# Altium PCB Archimajor.PcbDoc (part 8 of 13) (continued)
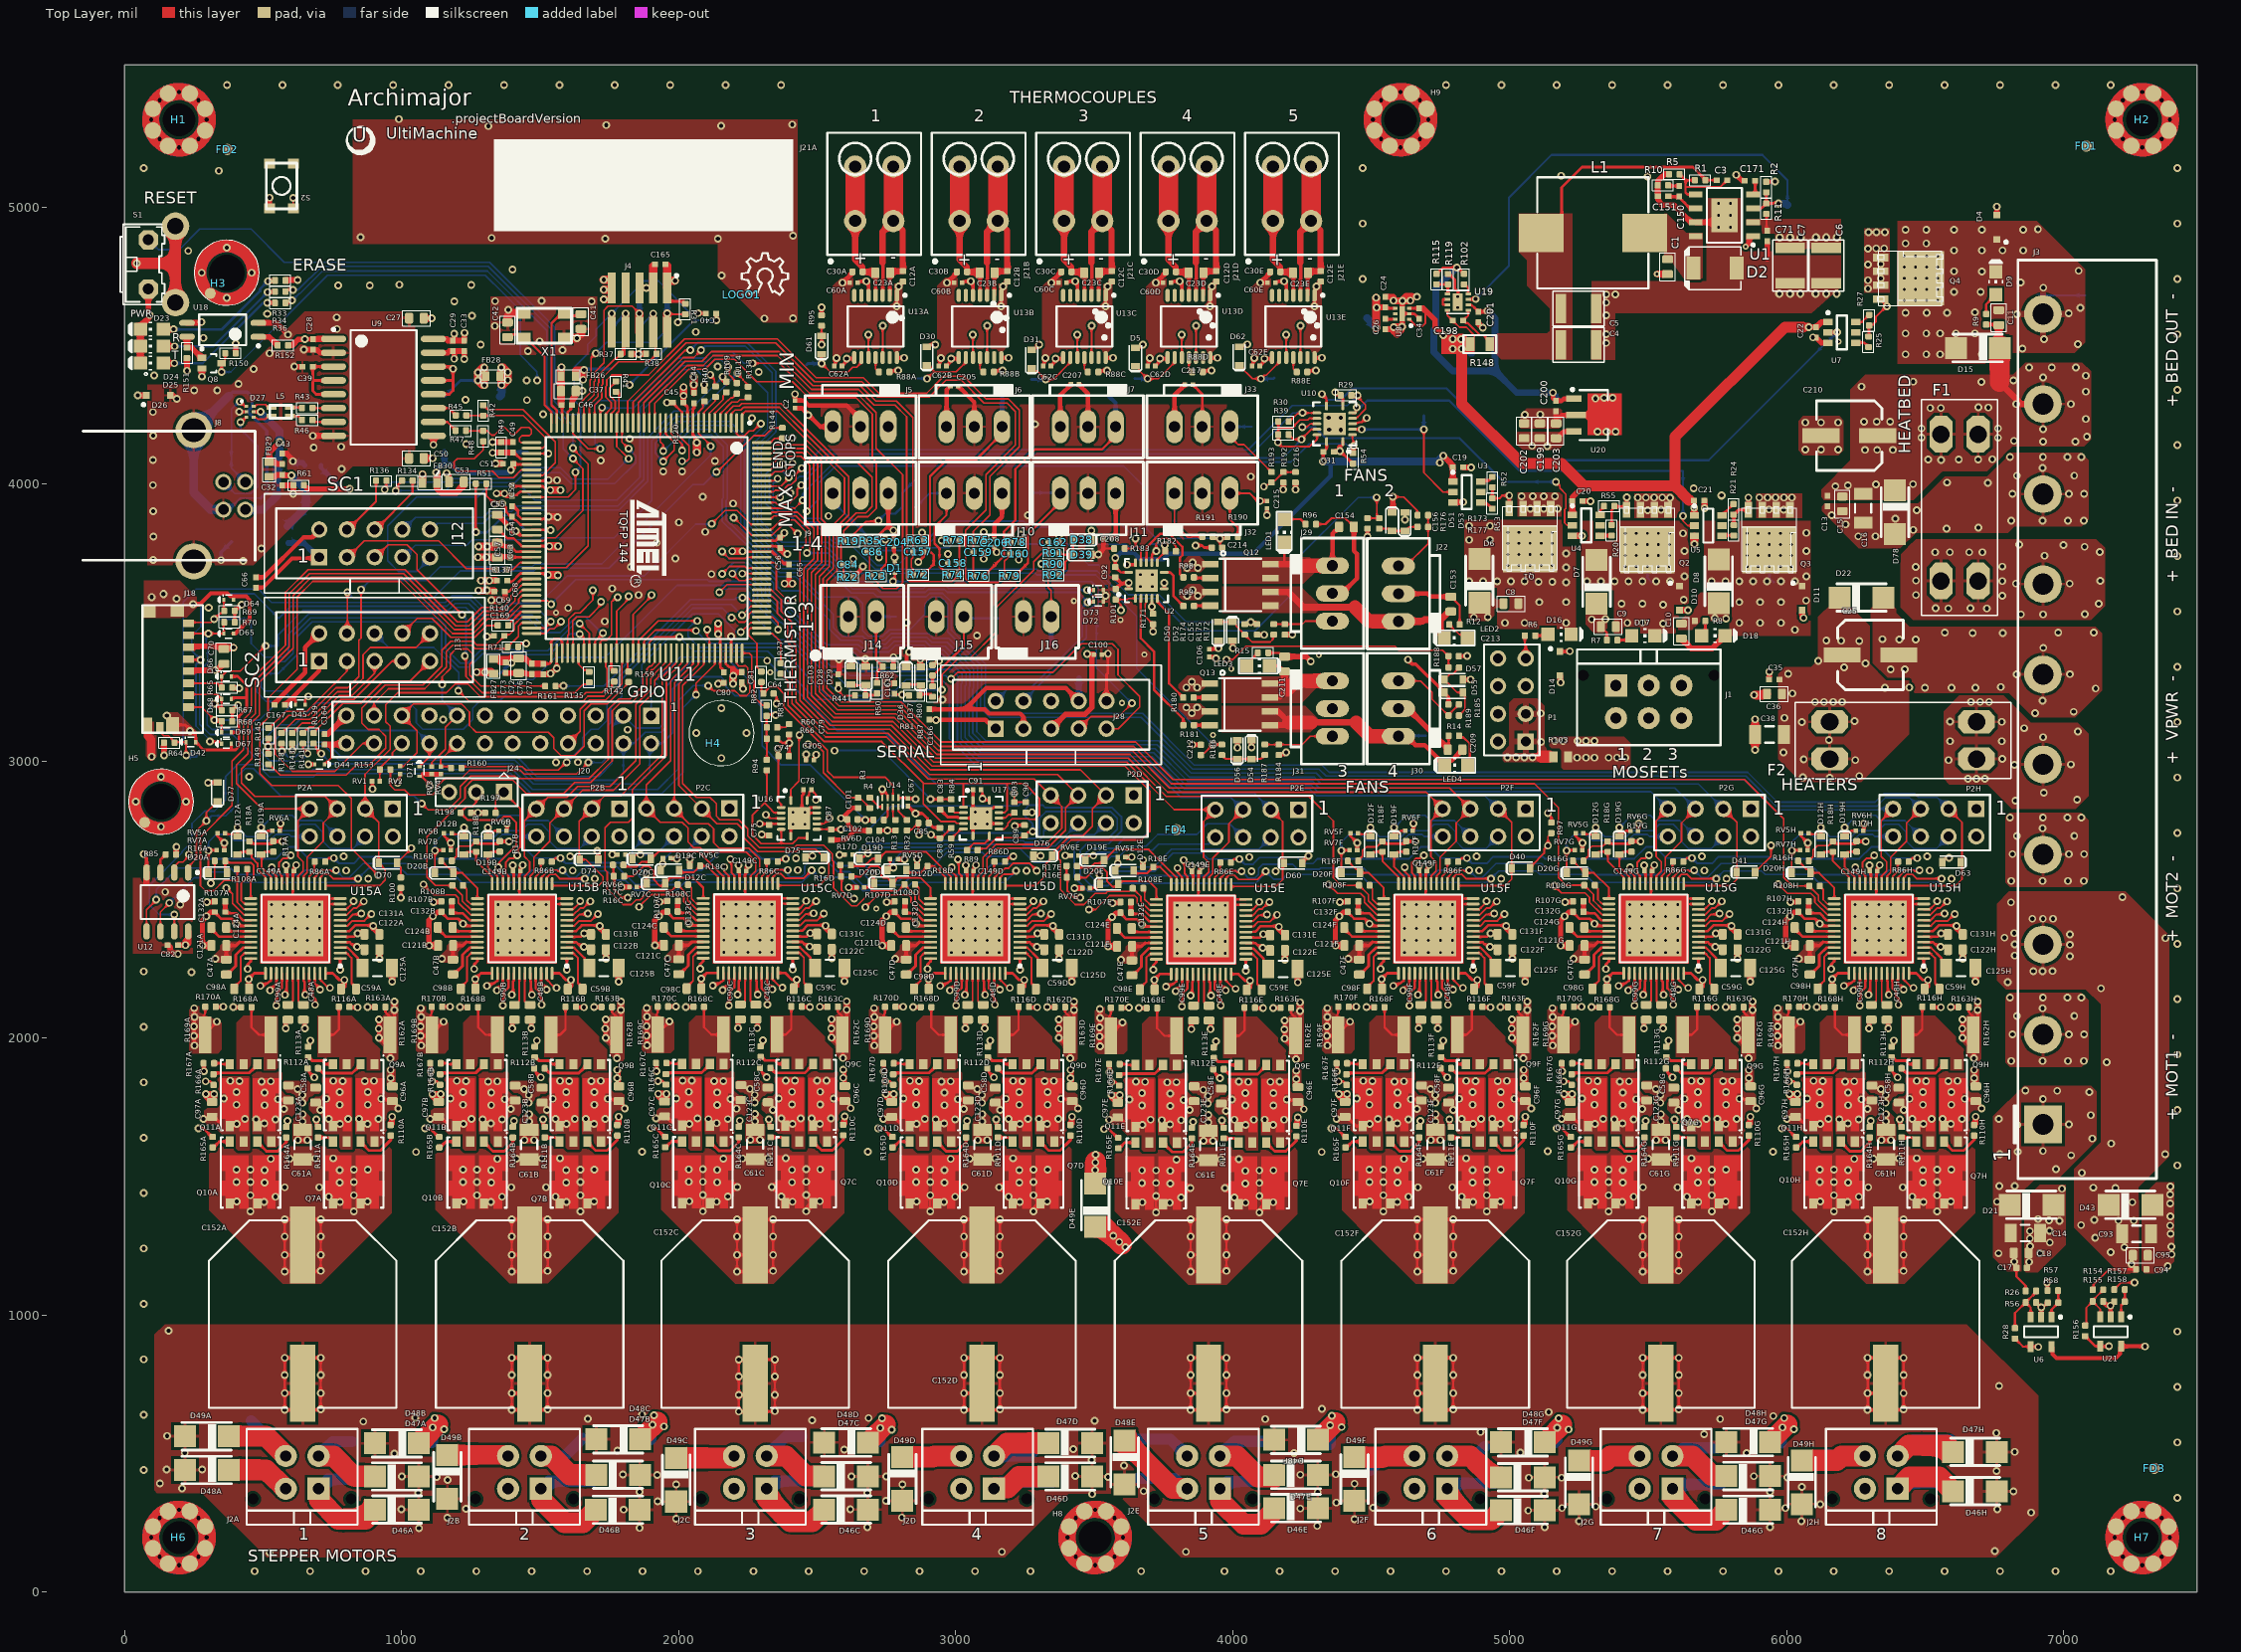
[diagram p0: Top Layer view]
## Nets (pads, with @x,y where several pads share a name; then routed paths per layer and width w, separated by ;. In a path a pad name is that pad's centre, name@x,y a point inside that pad or via, vN(x,y) a via of type N, cw(c..) or ccw(c..) an arc to the next point about the centre after c; other vN are vias at no path point) (continued)
NetJ31_3: J31.3 R184.1 R187.2 | length 256.4
  Top Layer w6: R187.2@4116.27,3059.26 4116.37,3059.16 R184.1@4166.57,3059.16 4250.44,3059.16 4280.26,3088.98 J31.3@4360.24,3088.98
NetJ32_1: J32.1 R191.2 TP19.1 | length 359.5
  Top Layer w6: J32.1@3790.35,3966.53 3790.35,3855.4 3838.42,3807.34 3850.65,3807.34 3852.6,3809.29 R191.2@3890.67,3809.29
  Bottom Layer w6: TP19.1@3788.39,3839.96 3790.35,3841.93 J32.1@3790.35,3966.53
NetJ33_1: J33.1 R193.2 TP82.1 | length 312.9
  Top Layer w6: J33.1@3990.35,4206.53 3990.35,4172.14 4020.39,4142.1 4041.36,4142.1 4131.47,4051.99 4131.47,4051.75 4140.23,4042.99 R193.2@4140.47,4042.99
  Bottom Layer w6: J33.1@3996.96,4211.75 J33.1@4002.18,4206.53
  Bottom Layer w8: J33.1@4002.18,4206.53 TP82.1@4069.6,4206.53
NetL5_1: L5.1 R46.2 | length 49.4
  Top Layer w6: L5.1@597.46,4244.59 626.94,4244.59 R46.2@641,4230.53
NetL5_4: L5.4 R43.2 | length 45.3
  Top Layer w6: L5.4@597.46,4276.09 636.75,4276.09 R43.2@641,4280.34
NetLED1_A: LED1.A R96.1 | length 84.4
  Top Layer w8: LED1.A@4186.73,3872.42 4245.59,3872.42 4255.55,3862.45 4256.33,3862.45 4263.3,3855.48 R96.1@4263.3,3854.7
NetLED2_A: LED2.A R12.1 | length 85.5
  Top Layer w6: R12.1@4782,3492.5 4782,3492.25 4790.76,3483.5 4791,3483.5 4817.92,3456.58 4835.16,3456.58 LED2.A@4847.41,3444.33
NetLED3_A: LED3.A R15.1 | length 64.7
  Top Layer w8: LED3.A@4049.92,3342.89 4069.92,3362.89 4069.92,3368.99 4083.3,3382.38 4084.09,3382.38 4091.06,3389.35 R15.1@4091.06,3390.13
NetLED4_A: LED4.A R14.1 | length 130.8
  Top Layer w8: R14.1@4817.63,3090.92 4823.52,3085.03 4833.14,3085.03 4856.21,3061.97 4856.21,2991.7 LED4.A@4849.13,2984.62
NetQ1_4: Q1.4 R52.2 R53.2 TP58.1 | length 151.7
  Top Layer w8: R52.2@4937.69,3987.89 R53.2@4937.69,3948.13 4963.75,3948.13 4973.48,3957.86 v3(4998.62,3957.86) Q1.4@4998.62,3910.88
NetQ2_4: Q2.4 R20.2 R55.2 TP62.1 | length 164.7
  Top Layer w8: R20.2@5368.1,3851.43 5368.1,3904.7 5381.61,3918.21 5410.77,3918.21 Q2.4@5422.12,3906.88 ; Q2.4@5422.12,3905.88 Q2.4@5422.12,3906.88 ; v3(5422.35,3951.53) 5422.35,3907.1 Q2.4@5422.12,3906.88
  Mid1 w8: v3@5422.12,3952.5 v3@5422.12,3953.84
NetQ3_4: Q3.4 R21.2 R24.2 TP64.1 | length 141.4
  Top Layer w10: R21.2@5809.11,3851.5 5809.11,3888.5 5827.48,3906.87 Q3.4@5862.11,3906.89 5861.77,3907.21 v3(5861.77,3950.55)
NetQ4_4: Q4.4 R25.2 R27.2 TP66.1 | length 180.1
  Top Layer w8: R25.2@6297,4530.45 R27.2@6297,4571.97 ; R27.2@6297.48,4571.97 6300.47,4574.95 6311.2,4574.95 6321.48,4585.23 6321.48,4602.64 6362.97,4644.13 Q4.4@6339.61,4667.47
  other v3: 6361.82,4641.54
NetQ7A_2: Q7A.2 R110A.2 | length 154.7
  Top Layer w10: Q7A.2@852.5,1625.8 852.5,1623.95 882.93,1593.53 923,1593.53 961,1631.53 R110A.2@961,1647.53
NetQ7A_4: Q7A.4 R111A.1 | length 63.6
  Top Layer w10: R111A.1@695,1640.63 737.68,1640.63 Q7A.4@752.5,1625.8
NetQ7B_2: Q7B.2 R110B.2 | length 154.7
  Top Layer w10: Q7B.2@1670.42,1625.8 1670.42,1623.95 1700.84,1593.53 1740.91,1593.53 1778.91,1631.53 R110B.2@1778.91,1647.53
NetQ7B_4: Q7B.4 R111B.1 | length 63.6
  Top Layer w10: R111B.1@1512.91,1640.63 1555.59,1640.63 Q7B.4@1570.42,1625.8
NetQ7C_2: Q7C.2 R110C.2 | length 154.7
  Top Layer w10: Q7C.2@2485.69,1626.76 2485.69,1624.91 2516.11,1594.49 2556.18,1594.49 2594.18,1632.49 R110C.2@2594.18,1648.49
NetQ7C_4: Q7C.4 R111C.1 | length 63.6
  Top Layer w10: R111C.1@2328.18,1641.59 2370.86,1641.59 Q7C.4@2385.69,1626.76
NetQ7D_2: Q7D.2 R110D.2 | length 154.7
  Top Layer w10: Q7D.2@3306.24,1625.8 3306.24,1623.95 3336.67,1593.53 3376.74,1593.53 3414.74,1631.53 R110D.2@3414.74,1647.53
NetQ7D_4: Q7D.4 R111D.1 | length 63.6
  Top Layer w10: R111D.1@3148.74,1640.63 3191.42,1640.63 Q7D.4@3206.24,1625.8
NetQ7E_2: Q7E.2 R110E.2 | length 154.7
  Top Layer w10: Q7E.2@4121.51,1622.83 4121.51,1620.98 4151.94,1590.55 4192.01,1590.55 4230.01,1628.55 R110E.2@4230.01,1644.55
NetQ7E_4: Q7E.4 R111E.1 | length 63.6
  Top Layer w10: R111E.1@3964.01,1637.65 4006.69,1637.65 Q7E.4@4021.51,1622.83
NetQ7F_2: Q7F.2 R110F.2 | length 154.7
  Top Layer w10: Q7F.2@4942.07,1625.8 4942.07,1623.95 4972.5,1593.53 5012.57,1593.53 5050.57,1631.53 R110F.2@5050.57,1647.53
NetQ7F_4: Q7F.4 R111F.1 | length 63.6
  Top Layer w10: R111F.1@4784.57,1640.63 4827.24,1640.63 Q7F.4@4842.07,1625.8
NetQ7G_2: Q7G.2 R110G.2 | length 154.7
  Top Layer w10: Q7G.2@5755.07,1625.8 5755.07,1623.95 5785.5,1593.53 5825.57,1593.53 5863.57,1631.53 R110G.2@5863.57,1647.53
NetQ7G_4: Q7G.4 R111G.1 | length 63.6
  Top Layer w10: R111G.1@5597.57,1640.63 5640.24,1640.63 Q7G.4@5655.07,1625.8
NetQ7H_2: Q7H.2 R110H.2 | length 154.7
  Top Layer w10: Q7H.2@6568.07,1625.8 6568.07,1623.95 6598.5,1593.53 6638.57,1593.53 6676.57,1631.53 R110H.2@6676.57,1647.53
NetQ7H_4: Q7H.4 R111H.1 | length 63.6
  Top Layer w10: R111H.1@6410.57,1640.63 6453.24,1640.63 Q7H.4@6468.07,1625.8
NetQ8_1: Q8.1 R151.1 U18.4 | length 108.2
  Top Layer w20: U18.4@225.55,4531.14 225.67,4531.01 R151.1@225.67,4492.21 242.66,4492.21 Q8.1@279.61,4455.26
NetQ9A_1: Q9A.1 Q9A.3 R116A.2 R162A.2 | length 142.3
  Top Layer w8: R162A.2@721.89,2010.84 754.31,2010.84 774,2030.53 R116A.2@774,2112.53
NetQ9A_2: Q9A.2 R112A.2 | length 175.6
  Top Layer w10: R112A.2@699,1890.53 717,1872.53 821.55,1872.53 852.5,1903.48 Q9A.2@852.5,1905.33
NetQ9A_4: Q9A.4 R113A.1 | length 101.9
  Top Layer w10: R113A.1@659,1925.63 671,1925.63 679.1,1917.53 715,1917.53 727.2,1905.33 Q9A.4@752.5,1905.33
NetQ9B_1: Q9B.1 Q9B.3 R116B.2 R162B.2 | length 142.3
  Top Layer w8: R162B.2@1539.8,2010.84 1572.23,2010.84 1591.91,2030.53 R116B.2@1591.91,2112.53
NetQ9B_2: Q9B.2 R112B.2 | length 175.6
  Top Layer w10: R112B.2@1516.91,1890.53 1534.91,1872.53 1639.46,1872.53 1670.42,1903.48 Q9B.2@1670.42,1905.33
NetQ9B_4: Q9B.4 R113B.1 | length 101.9
  Top Layer w10: R113B.1@1476.91,1925.63 1488.91,1925.63 1497.02,1917.53 1532.91,1917.53 1545.11,1905.33 Q9B.4@1570.42,1905.33
NetQ9C_1: Q9C.1 Q9C.3 R116C.2 R162C.2 | length 142.3
  Top Layer w8: R162C.2@2355.07,2011.8 2387.5,2011.8 2407.18,2031.49 R116C.2@2407.18,2113.49
NetQ9C_2: Q9C.2 R112C.2 | length 175.6
  Top Layer w10: R112C.2@2332.18,1891.49 2350.18,1873.49 2454.73,1873.49 2485.69,1904.44 Q9C.2@2485.69,1906.29
NetQ9C_4: Q9C.4 R113C.1 | length 101.9
  Top Layer w10: R113C.1@2292.18,1926.59 2304.18,1926.59 2312.29,1918.49 2348.18,1918.49 2360.38,1906.29 Q9C.4@2385.69,1906.29
NetQ9D_1: Q9D.1 Q9D.3 R116D.2 R162D.2 | length 142.3
  Top Layer w8: R162D.2@3175.63,2010.84 3208.05,2010.84 3227.74,2030.53 R116D.2@3227.74,2112.53
NetQ9D_2: Q9D.2 R112D.2 | length 175.6
  Top Layer w10: R112D.2@3152.74,1890.53 3170.74,1872.53 3275.29,1872.53 3306.24,1903.48 Q9D.2@3306.24,1905.33
NetQ9D_4: Q9D.4 R113D.1 | length 101.9
  Top Layer w10: R113D.1@3112.74,1925.63 3124.74,1925.63 3132.84,1917.53 3168.74,1917.53 3180.94,1905.33 Q9D.4@3206.24,1905.33
NetQ9E_1: Q9E.1 Q9E.3 R116E.2 R162E.2 | length 142.3
  Top Layer w8: R162E.2@3990.9,2007.87 4023.33,2007.87 4043.01,2027.55 R116E.2@4043.01,2109.55
NetQ9E_2: Q9E.2 R112E.2 | length 175.6
  Top Layer w10: R112E.2@3968.01,1887.55 3986.01,1869.55 4090.56,1869.55 4121.51,1900.5 Q9E.2@4121.51,1902.35
NetQ9E_4: Q9E.4 R113E.1 | length 101.9
  Top Layer w10: R113E.1@3928.01,1922.65 3940.01,1922.65 3948.11,1914.55 3984.01,1914.55 3996.21,1902.35 Q9E.4@4021.51,1902.35
NetQ9F_1: Q9F.1 Q9F.3 R116F.2 R162F.2 | length 142.3
  Top Layer w8: R162F.2@4811.46,2010.84 4843.88,2010.84 4863.57,2030.53 R116F.2@4863.57,2112.53
NetQ9F_2: Q9F.2 R112F.2 | length 175.6
  Top Layer w10: R112F.2@4788.57,1890.53 4806.57,1872.53 4911.12,1872.53 4942.07,1903.48 Q9F.2@4942.07,1905.33
NetQ9F_4: Q9F.4 R113F.1 | length 101.9
  Top Layer w10: R113F.1@4748.57,1925.63 4760.57,1925.63 4768.67,1917.53 4804.57,1917.53 4816.76,1905.33 Q9F.4@4842.07,1905.33
NetQ9G_1: Q9G.1 Q9G.3 R116G.2 R162G.2 | length 142.3
  Top Layer w8: R162G.2@5624.46,2010.84 5656.88,2010.84 5676.57,2030.53 R116G.2@5676.57,2112.53
NetQ9G_2: Q9G.2 R112G.2 | length 175.6
  Top Layer w10: R112G.2@5601.57,1890.53 5619.57,1872.53 5724.12,1872.53 5755.07,1903.48 Q9G.2@5755.07,1905.33
NetQ9G_4: Q9G.4 R113G.1 | length 101.9
  Top Layer w10: R113G.1@5561.57,1925.63 5573.57,1925.63 5581.67,1917.53 5617.57,1917.53 5629.76,1905.33 Q9G.4@5655.07,1905.33
NetQ9H_1: Q9H.1 Q9H.3 R116H.2 R162H.2 | length 142.3
  Top Layer w8: R162H.2@6437.46,2010.84 6469.88,2010.84 6489.57,2030.53 R116H.2@6489.57,2112.53
NetQ9H_2: Q9H.2 R112H.2 | length 175.6
  Top Layer w10: R112H.2@6414.57,1890.53 6432.57,1872.53 6537.12,1872.53 6568.07,1903.48 Q9H.2@6568.07,1905.33
NetQ9H_4: Q9H.4 R113H.1 | length 101.9
  Top Layer w10: R113H.1@6374.57,1925.63 6386.57,1925.63 6394.67,1917.53 6430.57,1917.53 6442.76,1905.33 Q9H.4@6468.07,1905.33
NetQ10A_2: Q10A.2 R164A.2 | length 152.1
  Top Layer w10: Q10A.2@480.02,1625.8 480.02,1623.95 512.42,1591.55 553.02,1591.55 584,1622.53 R164A.2@584,1642.53
NetQ10A_4: Q10A.4 R165A.1 | length 63.8
  Top Layer w10: R165A.1@323,1609.53 326,1609.53 342.28,1625.8 Q10A.4@380.02,1625.8
NetQ10B_2: Q10B.2 R164B.2 | length 152.1
  Top Layer w10: Q10B.2@1297.93,1625.8 1297.93,1623.95 1330.33,1591.55 1370.94,1591.55 1401.91,1622.53 R164B.2@1401.91,1642.53
NetQ10B_4: Q10B.4 R165B.1 | length 63.8
  Top Layer w10: R165B.1@1140.91,1609.53 1143.91,1609.53 1160.19,1625.8 Q10B.4@1197.93,1625.8
NetQ10C_2: Q10C.2 R164C.2 | length 152.1
  Top Layer w10: Q10C.2@2113.2,1626.76 2113.2,1624.91 2145.6,1592.51 2186.21,1592.51 2217.18,1623.49 R164C.2@2217.18,1643.49
NetQ10C_4: Q10C.4 R165C.1 | length 63.8
  Top Layer w10: R165C.1@1956.18,1610.49 1959.18,1610.49 1975.46,1626.76 Q10C.4@2013.2,1626.76
NetQ10D_2: Q10D.2 R164D.2 | length 152.1
  Top Layer w10: Q10D.2@2933.76,1625.8 2933.76,1623.95 2966.16,1591.55 3006.76,1591.55 3037.74,1622.53 R164D.2@3037.74,1642.53
NetQ10D_4: Q10D.4 R165D.1 | length 63.8
  Top Layer w10: R165D.1@2776.74,1609.53 2779.74,1609.53 2796.02,1625.8 Q10D.4@2833.76,1625.8
NetQ10E_2: Q10E.2 R164E.2 | length 152.1
  Top Layer w10: Q10E.2@3749.03,1622.83 3749.03,1620.98 3781.43,1588.57 3822.03,1588.57 3853.01,1619.55 R164E.2@3853.01,1639.55
NetQ10E_4: Q10E.4 R165E.1 | length 63.8
  Top Layer w10: R165E.1@3592.01,1606.55 3595.01,1606.55 3611.29,1622.83 Q10E.4@3649.03,1622.83
NetQ10F_2: Q10F.2 R164F.2 | length 152.1
  Top Layer w10: Q10F.2@4569.58,1625.8 4569.58,1623.95 4601.98,1591.55 4642.59,1591.55 4673.57,1622.53 R164F.2@4673.57,1642.53
NetQ10F_4: Q10F.4 R165F.1 | length 63.8
  Top Layer w10: R165F.1@4412.57,1609.53 4415.57,1609.53 4431.84,1625.8 Q10F.4@4469.58,1625.8
NetQ10G_2: Q10G.2 R164G.2 | length 152.1
  Top Layer w10: Q10G.2@5382.58,1625.8 5382.58,1623.95 5414.98,1591.55 5455.59,1591.55 5486.57,1622.53 R164G.2@5486.57,1642.53
NetQ10G_4: Q10G.4 R165G.1 | length 63.8
  Top Layer w10: R165G.1@5225.57,1609.53 5228.57,1609.53 5244.84,1625.8 Q10G.4@5282.58,1625.8
NetQ10H_2: Q10H.2 R164H.2 | length 152.1
  Top Layer w10: Q10H.2@6195.58,1625.8 6195.58,1623.95 6227.98,1591.55 6268.59,1591.55 6299.57,1622.53 R164H.2@6299.57,1642.53
NetQ10H_4: Q10H.4 R165H.1 | length 63.8
  Top Layer w10: R165H.1@6038.57,1609.53 6041.57,1609.53 6057.84,1625.8 Q10H.4@6095.58,1625.8
NetQ11A_1: Q11A.1 Q11A.3 R168A.2 R169A.2 | length 153.9
  Top Layer w8: R168A.2@458.66,2111.24 458.66,2037.87 485.68,2010.84 R169A.2@528.05,2010.84
NetQ11A_2: Q11A.2 R166A.2 | length 178.1
  Top Layer w10: R166A.2@321.35,1868.43 321.35,1873.63 450.16,1873.63 480.02,1903.48 Q11A.2@480.02,1905.33
NetQ11A_4: Q11A.4 R167A.1 | length 57.8
  Top Layer w8: R167A.1@323.52,1908.48 348.05,1908.48 351.2,1905.33 Q11A.4@380.02,1905.33
NetQ11B_1: Q11B.1 Q11B.3 R168B.2 R169B.2 | length 153.9
  Top Layer w8: R168B.2@1276.57,2111.24 1276.57,2037.87 1303.6,2010.84 R169B.2@1345.96,2010.84
NetQ11B_2: Q11B.2 R166B.2 | length 178.1
  Top Layer w10: R166B.2@1139.27,1868.43 1139.27,1873.63 1268.08,1873.63 1297.93,1903.48 Q11B.2@1297.93,1905.33
NetQ11B_4: Q11B.4 R167B.1 | length 57.8
  Top Layer w8: R167B.1@1141.43,1908.48 1165.96,1908.48 1169.11,1905.33 Q11B.4@1197.93,1905.33
NetQ11C_1: Q11C.1 Q11C.3 R168C.2 R169C.2 | length 153.9
  Top Layer w8: R168C.2@2091.85,2112.2 2091.85,2038.82 2118.87,2011.8 R169C.2@2161.23,2011.8
NetQ11C_2: Q11C.2 R166C.2 | length 178.1
  Top Layer w10: R166C.2@1954.54,1869.38 1954.54,1874.59 2083.35,1874.59 2113.2,1904.44 Q11C.2@2113.2,1906.29
NetQ11C_4: Q11C.4 R167C.1 | length 57.8
  Top Layer w8: R167C.1@1956.7,1909.44 1981.23,1909.44 1984.38,1906.29 Q11C.4@2013.2,1906.29
NetQ11D_1: Q11D.1 Q11D.3 R168D.2 R169D.2 | length 153.9
  Top Layer w8: R168D.2@2912.4,2111.24 2912.4,2037.87 2939.42,2010.84 R169D.2@2981.79,2010.84
NetQ11D_2: Q11D.2 R166D.2 | length 178.1
  Top Layer w10: R166D.2@2775.09,1868.43 2775.09,1873.63 2903.9,1873.63 2933.76,1903.48 Q11D.2@2933.76,1905.33
NetQ11D_4: Q11D.4 R167D.1 | length 57.8
  Top Layer w8: R167D.1@2777.26,1908.48 2801.79,1908.48 2804.94,1905.33 Q11D.4@2833.76,1905.33
NetQ11E_1: Q11E.1 Q11E.3 R168E.2 R169E.2 | length 153.9
  Top Layer w8: R168E.2@3727.67,2108.26 3727.67,2034.89 3754.7,2007.87 R169E.2@3797.06,2007.87
NetQ11E_2: Q11E.2 R166E.2 | length 178.1
  Top Layer w10: R166E.2@3590.37,1865.45 3590.37,1870.65 3719.18,1870.65 3749.03,1900.5 Q11E.2@3749.03,1902.35
NetQ11E_4: Q11E.4 R167E.1 | length 57.8
  Top Layer w8: R167E.1@3592.53,1905.5 3617.06,1905.5 3620.21,1902.35 Q11E.4@3649.03,1902.35
NetQ11F_1: Q11F.1 Q11F.3 R168F.2 R169F.2 | length 153.9
  Top Layer w8: R168F.2@4548.23,2111.24 4548.23,2037.87 4575.25,2010.84 R169F.2@4617.61,2010.84
NetQ11F_2: Q11F.2 R166F.2 | length 178.1
  Top Layer w10: R166F.2@4410.92,1868.43 4410.92,1873.63 4539.73,1873.63 4569.58,1903.48 Q11F.2@4569.58,1905.33
NetQ11F_4: Q11F.4 R167F.1 | length 57.8
  Top Layer w8: R167F.1@4413.09,1908.48 4437.61,1908.48 4440.76,1905.33 Q11F.4@4469.58,1905.33
NetQ11G_1: Q11G.1 Q11G.3 R168G.2 R169G.2 | length 153.9
  Top Layer w8: R168G.2@5361.23,2111.24 5361.23,2037.87 5388.25,2010.84 R169G.2@5430.61,2010.84
NetQ11G_2: Q11G.2 R166G.2 | length 178.1
  Top Layer w10: R166G.2@5223.92,1868.43 5223.92,1873.63 5352.73,1873.63 5382.58,1903.48 Q11G.2@5382.58,1905.33
NetQ11G_4: Q11G.4 R167G.1 | length 57.8
  Top Layer w8: R167G.1@5226.09,1908.48 5250.61,1908.48 5253.76,1905.33 Q11G.4@5282.58,1905.33
NetQ11H_1: Q11H.1 Q11H.3 R168H.2 R169H.2 | length 153.9
  Top Layer w8: R168H.2@6174.23,2111.24 6174.23,2037.87 6201.25,2010.84 R169H.2@6243.61,2010.84
NetQ11H_2: Q11H.2 R166H.2 | length 178.1
  Top Layer w10: R166H.2@6036.92,1868.43 6036.92,1873.63 6165.73,1873.63 6195.58,1903.48 Q11H.2@6195.58,1905.33
NetQ11H_4: Q11H.4 R167H.1 | length 57.8
  Top Layer w8: R167H.1@6039.09,1908.48 6063.61,1908.48 6066.76,1905.33 Q11H.4@6095.58,1905.33
NetQ12_2: Q12.2 R98.2 | length 60.6
  Top Layer w9: R98.2@3860.25,3662.77 3862.74,3660.29 Q12.2@3919.79,3660.29
NetQ12_4: Q12.4 R99.2 | length 59.9
  Top Layer w9: R99.2@3860.25,3559.42 3861.12,3560.29 Q12.4@3919.79,3560.29
NetQ13_2: Q13.2 R180.2 | length 58.2
  Top Layer w10: R180.2@3859.27,3228.72 3916.9,3228.72 Q13.2@3917.32,3229.13
NetQ13_4: Q13.4 R181.2 | length 57.8
  Top Layer w10: R181.2@3860.25,3127.34 3862.05,3129.13 Q13.4@3917.32,3129.13
NetR2_2: R2.2 R11.1 R28.1 R156.1 TP69.TP U1.3 U6.4 U19.3 U21.4 | length 7716.4
  Top Layer w8: U19.3@4850.35,4666.35 4876.55,4666.35 v1(4877.66,4667.47) ; U1.3@5878.69,4994.71 5908.45,4994.71 R11.1@5926.35,5012.61 ; R2.2@5926.35,5052.71 R11.1@5926.35,5012.61 ; v5(5970.13,5011.73) 5969.25,5012.61 R11.1@5926.35,5012.61 ; R28.1@6823.98,914.83 6824.76,914.83 6831.73,907.86 6831.73,907.08 6852.77,886.04 U6.4@6880.96,886.04 6906.77,886.04 v1(6908.22,884.59) ; R156.1@7077.5,923.91 7078.28,923.91 7085.25,916.94 7085.25,916.16 7113.95,887.45 7131.3,887.45 U21.4@7132.09,886.66 7162.74,886.66 v1(7163.01,886.93)
  Mid1 w8: v1@4874.86,4664.67 v1(4877.66,4667.47) ; v5(5970.13,5011.73) 6066.36,5107.97 6934.44,5107.97 7312.71,4729.7 7312.71,1036.63 v1(7163.01,886.93) 6910.56,886.93 v1(6908.22,884.59)
  Bottom Layer w8: v1(4877.66,4667.47) 4997.66,4787.47 4997.66,5033.74 5151.29,5187.38 5912.12,5187.38 6003,5096.5 TP69.TP@6003,5007.01
  Bottom Layer w28: v5(5970.13,5011.73) 5998.28,5011.73 TP69.TP@6003,5007.01
NetR3_2: R3.2 U14.5 | length 58.5
  Top Layer w6.5: R3.2@2690.66,2867.79 2691.04,2867.79 2698.7,2860.13 2698.7,2859.75 2724.31,2834.14 U14.5@2734.98,2834.14
NetR4_2: R4.2 U14.6 | length 53.1
  Top Layer w6.5: R4.2@2741.36,2786.79 2741.36,2787.16 2749.02,2794.83 2749.4,2794.83 2754.66,2800.09 U14.6@2754.66,2834.14
NetR13_2: R13.2 U14.7 | length 50.9
  Top Layer w6.5: U14.7@2774.35,2834.14 2774.35,2798.64 2775.14,2797.85 2775.14,2794.75 2782.81,2787.09 R13.2@2783.18,2787.09
NetR20_1: R20.1 U4.4 | length 51.5
  Top Layer w8: U4.4@5320.59,3820.5 U4.4@5327.55,3813.54
  Top Layer w10: U4.4@5326.76,3812.75 5327.55,3813.54 R20.1@5368.1,3813.54
NetR21_1: R21.1 U5.4 | length 43.4
  Top Layer w8: U5.4@5769.51,3814.5 5808.21,3814.5 R21.1@5809.11,3813.6
  Top Layer w10: U5.4@5767.11,3812.1 U5.4@5769.51,3814.5
NetR24_1: R24.1 U5.6 | length 57.8
  Top Layer w8: U5.6@5767.11,3886.9 5767.62,3886.9 R24.1@5808.11,3927.4
NetR25_1: R25.1 U7.4 | length 52.4
  Top Layer w8: U7.4@6249.51,4509.57 6279.98,4509.57 R25.1@6295.48,4494.07
NetR26_2: R26.2 R28.2 R56.2 U6.3 | length 226.7
  Top Layer w8: R28.2@6823.98,952.73 6823.98,1006.51 6854.9,1037.43 6855.69,1037.43 R56.2@6862.66,1044.4 ; U6.3@6880.96,992.34 6880.96,1026.89 6870.41,1037.43 6869.63,1037.43 R56.2@6862.66,1044.4 ; R26.2@6900.7,1086.61 6893.94,1079.85 6893.94,1076.48 6870.41,1052.94 6869.63,1052.94 6862.66,1045.97 R56.2@6862.66,1045.19 R56.2@6862.66,1044.4
NetR27_1: R27.1 U7.6 | length 58.2
  Top Layer w7: U7.6@6250.02,4583.87 6271.48,4583.87 R27.1@6297.48,4609.87
NetR32_2: R32.2 U14.8 | length 59.9
  Top Layer w6.5: U14.8@2794.03,2834.14 2794.03,2817.57 2816.48,2795.13 2816.48,2794.75 2824.15,2787.09 R32.2@2824.52,2787.09
NetR42_1: R42.1 U11.43 | length 495.2
  Top Layer w6: R42.1@1295,4284.43 1310.9,4268.53 1438.53,4268.53 1555.5,4151.56 1555.5,4076.69 1509.82,4031.01 U11.43@1469.65,4031.01
NetR48_1: R48.1 U11.42 | length 481.9
  Top Layer w6: R48.1@1295,4153.63 1295,4122.53 1263,4090.53 1201,4090.53 1190,4079.53 1190,4056.53 1201,4045.53 1329,4045.53 1351.52,4023.01 1404,4023.01 1431.68,4050.69 U11.42@1469.65,4050.69
NetR51_1: R51.1 U11.53 | length 545
  Top Layer w8: v1@1268.1,3825.76 R51.1@1268.1,4000.53 ; U11.53@1469.65,3834.16 1537.37,3834.16 v1(1538,3833.53)
  Bottom Layer w8: v1@1271,3824.01 1308.56,3824.01 1355.08,3870.53 1409.25,3870.53 1424.25,3855.53 1424.77,3855.53 1446.77,3833.53 v1(1538,3833.53)
  other v1: 1268.31,3825.76
NetR52_1: R52.1 U3.6 | length 50
  Top Layer w10: U3.6@4895.48,4008.3 4899.07,4011.89 4923.79,4011.89 4930.69,4018.78 4930.69,4019.78 4936.69,4025.78 R52.1@4937.69,4025.78
NetR53_1: R53.1 U3.4 | length 52.3
  Top Layer w8: U3.4@4895.48,3933.5 4900.6,3928.39 4919.53,3928.39 4929.93,3917.98 4929.93,3917.2 4936.9,3910.23 R53.1@4937.69,3910.23
NetR55_1: R55.1 U4.6 | length 36.2
  Top Layer w8: U4.6@5326.76,3887.55 5326.76,3903.9 R55.1@5340.81,3917.94
NetR57_1: R57.1 R58.2 U6.1 | length 106.9
  Top Layer w8: U6.1@6955.76,992.34 6955.76,1019.58 6972.63,1036.45 6973.41,1036.45 6980.38,1043.42 R58.2@6980.38,1044.2 6980.38,1087.16 R57.1@6979.38,1088.17
NetR59_2: R59.2 U17.6 | length 58.2
  Top Layer w6.5: R59.2@2984.25,2720.37 2985.47,2720.37 3017.22,2752.12 3017.22,2752.24 3019.31,2754.33 U17.6@3028.32,2754.33
NetR77_2: R77.2 U11.109 | length 158.1
  Top Layer w6.5: U11.109@2300.35,3460.14 2338.13,3460.14 2349.12,3449.16 2350.05,3449.16 2368.81,3430.4 R77.2@2368.81,3353.03
NetR82_2: R82.2 U11.110 | length 218.3
  Top Layer w6.5: R82.2@2298.93,3322.52 2283.18,3338.27 2283.18,3423.94 2253.66,3453.46 2253.66,3472.18 2261.3,3479.83 U11.110@2300.35,3479.83
NetR83_2: R83.2 U11.108 | length 248.4
  Top Layer w6.5: U11.108@2229.49,3389.28 2254.77,3389.28 2264.49,3379.56 2264.49,3297.61 2272.36,3289.74 2272.36,3231.67 2303.55,3200.47 R83.2@2317.63,3200.47
NetR84_2: R84.2 U17.3 | length 48.4
  Top Layer w6.5: R84.2@2984.25,2823.91 2985.87,2823.91 2996.4,2813.39 U17.3@3028.32,2813.39
NetR86A_2: R86A.2 U15A.16 | length 87.4
  Top Layer w6.55: U15A.16@666.63,2556.51 666.63,2582.38 685.26,2601.01 R86A.2@685.26,2636.22
NetR86B_2: R86B.2 U15B.16 | length 87.4
  Top Layer w6.55: U15B.16@1484.54,2556.51 1484.54,2582.38 1503.17,2601.01 R86B.2@1503.17,2636.22
NetR86C_2: R86C.2 U15C.16 | length 87.4
  Top Layer w6.55: U15C.16@2299.81,2557.47 2299.81,2583.34 2318.44,2601.97 R86C.2@2318.44,2637.18
NetR86D_2: R86D.2 U15D.16 | length 87.4
  Top Layer w6.55: U15D.16@3120.37,2556.51 3120.37,2582.38 3139,2601.01 R86D.2@3139,2636.22
NetR86E_2: R86E.2 U15E.16 | length 87.4
  Top Layer w6.55: U15E.16@3935.64,2553.53 3935.64,2579.4 3954.27,2598.03 R86E.2@3954.27,2633.24
NetR86F_2: R86F.2 U15F.16 | length 87.4
  Top Layer w6.55: U15F.16@4756.2,2556.51 4756.2,2582.38 4774.83,2601.01 R86F.2@4774.83,2636.22
NetR86G_2: R86G.2 U15G.16 | length 87.4
  Top Layer w6.55: U15G.16@5569.2,2556.51 5569.2,2582.38 5587.83,2601.01 R86G.2@5587.83,2636.22
NetR86H_2: R86H.2 U15H.16 | length 87.4
  Top Layer w6.55: U15H.16@6382.2,2556.51 6382.2,2582.38 6400.83,2601.01 R86H.2@6400.83,2636.22
NetR88A_1: R88A.1 U13A.11 | length 57.4
  Top Layer w6.55: U13A.11@2711.22,4456.26 2711.22,4416.21 R88A.1@2723.51,4403.91
NetR88B_1: R88B.1 U13B.11 | length 57.4
  Top Layer w6.55: U13B.11@3088.21,4456.26 3088.21,4416.21 R88B.1@3100.51,4403.91
NetR88C_1: R88C.1 U13C.11 | length 57.4
  Top Layer w6.55: U13C.11@3465.21,4456.26 3465.21,4416.21 R88C.1@3477.51,4403.91
NetR88D_1: R88D.1 U13D.11 | length 57.4
  Top Layer w6.55: U13D.11@3842.21,4456.26 3842.21,4416.21 R88D.1@3854.51,4403.91
NetR88E_1: R88E.1 U13E.11 | length 57.4
  Top Layer w6.55: U13E.11@4219.21,4456.26 4219.21,4416.21 R88E.1@4231.51,4403.91
NetR89_2: R89.2 U17.8 | length 108.3
  Top Layer w6.55: R89.2@3041.48,2677.81 3041.48,2678.2 3049.81,2686.53 3049.88,2686.53 3065.82,2702.48 3105.43,2702.48 3122.05,2719.1 U17.8@3122.05,2729.5
NetR93_2: R93.2 U17.11 | length 63.6
  Top Layer w6.5: U17.11@3156.72,2793.7 3157.58,2794.57 3179.2,2794.57 3190.66,2806.02 3205.28,2806.02 R93.2@3212.32,2813.06
NetR94_2: R94.2 U16.3 U16.6 U16.8 | length 605.2
  Top Layer w6.5: 2309.27,2847.32 2267.44,2805.49 2267.44,2731.58 2297.76,2701.26 2370.56,2701.26 ; R94.2@2318.62,2966.41 2318.62,2856.67 2310.39,2848.44 2327.11,2831.72 2345.59,2813.24 2369.69,2813.24 U16.3@2370.56,2812.38 ; U16.6@2370.56,2753.32 2370.56,2701.26 ; U16.8@2464.29,2728.49 2464.29,2723.6 2462.2,2721.51 2432.19,2721.51 2411.94,2701.26 2370.56,2701.26
NetR98_1: R98.1 U2.11 | length 344.1
  Top Layer w9: U2.11@3688.93,3715.31 3688.93,3770.53 3737.86,3819.46 3772.16,3819.46 3818.79,3772.83 3818.79,3742.66 3809.28,3733.14 3809.28,3675.85 R98.1@3822.36,3662.77
NetR99_1: R99.1 U2.8 | length 162.8
  Top Layer w9: U2.8@3753.13,3680.63 3774.18,3680.63 3787.12,3667.69 3787.12,3594.66 3814.86,3566.92 3815.86,3566.92 3822.36,3560.42 R99.1@3822.36,3559.42
NetR102_1: R102.1 U19.4 | length 41.7
  Top Layer w6: R102.1@4833.95,4716.51 4841.47,4716.51 4850.35,4707.63 U19.4@4850.35,4686.04
NetR108A_1: R108A.1 U15A.26 | length 162
  Top Layer w6: U15A.26@433.22,2484.22 421.38,2496.06 421.38,2557.32 443.03,2578.98 R108A.1@443.03,2609.29
  Top Layer w7: U15A.26@433.22,2484.22 455.46,2484.22 U15A.26@456,2483.68
NetR108B_1: R108B.1 U15B.26 | length 102.6
  Top Layer w6: R108B.1@1221.57,2550.24 1221.57,2549.99 1230.33,2541.24 1230.57,2541.24 1236.14,2535.67 1236.14,2497.22 1248.94,2484.41 1273.18,2484.41 U15B.26@1273.91,2483.68
NetR108C_1: R108C.1 U15C.26 | length 105.5
  Top Layer w6: R108C.1@2034.57,2553.19 2034.57,2552.95 2043.32,2544.19 2043.57,2544.19 2047.16,2540.59 2047.16,2502.42 2064.22,2485.37 2088.45,2485.37 U15C.26@2089.18,2484.64
NetR108D_1: R108D.1 U15D.26 | length 109
  Top Layer w6: R108D.1@2853.47,2555.16 2867.64,2540.99 2867.64,2501.55 2884.77,2484.41 2909,2484.41 U15D.26@2909.74,2483.68
NetR108E_1: R108E.1 U15E.26 | length 92.7
  Top Layer w6: R108E.1@3677.28,2540.39 3682.91,2534.77 3682.91,2500.12 3701.6,2481.44 3724.28,2481.44 U15E.26@3725.01,2480.7
NetR108F_1: R108F.1 U15F.26 | length 103
  Top Layer w6: R108F.1@4494.21,2551.22 4494.21,2549.46 4504.84,2538.83 4504.84,2500.17 4520.6,2484.41 4544.83,2484.41 U15F.26@4545.57,2483.68
NetR108G_1: R108G.1 U15G.26 | length 103
  Top Layer w6: R108G.1@5307.2,2551.22 5307.2,2550.32 5318.82,2538.71 5318.82,2499.19 5333.6,2484.41 5357.83,2484.41 U15G.26@5358.57,2483.68
NetR108H_1: R108H.1 U15H.26 | length 100.6
  Top Layer w6: R108H.1@6119.21,2548.27 6119.21,2548.03 6127.97,2539.27 6128.21,2539.27 6131.81,2535.67 6131.81,2499.2 6146.6,2484.41 6170.83,2484.41 U15H.26@6171.57,2483.68
NetR115_1: R115.1 R119.2 U19.5 | length 71.8
  Top Layer w7: R115.1@4736.47,4720.61 4736.57,4720.51 R119.2@4776.95,4720.51
  Top Layer w9: U19.5@4776.85,4686.45 R119.2@4776.85,4717.76
NetR152_2: R152.2 U18.1 | length 82.5
  Top Layer w20: U18.1@483.42,4531.14 522.16,4531.14 R152.2@553.14,4500.17
NetR154_2: R154.2 R155.2 R156.2 U21.3 | length 223.2
  Top Layer w6: R156.2@7077.5,961.81 7081.86,966.18 7081.86,1026.18 R155.2@7104.5,1048.81 ; U21.3@7132.09,992.96 7132.09,1021.21 R155.2@7104.5,1048.81 ; R154.2@7142.5,1090.81 7104.5,1052.81 R155.2@7104.5,1048.81
NetR157_1: R157.1 R158.2 U21.1 | length 104.5
  Top Layer w8: U21.1@7206.9,992.96 7206.9,1034.21 R158.2@7220.5,1047.81 7220.39,1047.91 R157.1@7220.39,1091.81
NetR180_1: R180.1 U2.6 | length 397.3
  Top Layer w9: U2.6@3728.3,3586.91 3728.69,3586.52 3728.69,3573.88 3770.39,3532.17 3770.39,3279.7 3813.87,3236.22 3814.87,3236.22 3821.37,3229.72 R180.1@3821.37,3228.72
NetR181_1: R181.1 U2.3 | length 523.9
  Top Layer w9: U2.3@3669.24,3586.91 3668.86,3586.52 3668.86,3573.99 3668.11,3573.25 3668.11,3443.19 3716.25,3395.05 3716.25,3257.26 3822.36,3151.16 R181.1@3822.36,3127.34
NetS2_2: S2.2
NetS2_4: S2.4
NetTP35_1: TP35.1 U3.2 U10.3 | length 606.2
  Top Layer w6: U10.3@4432.51,4197.2 4460.07,4197.2 4463.05,4194.22 4463.05,4197.2 v1@4463.05,4197.79 ; v1(4690.12,4196.67) 4690.12,4040.5 4759.71,3970.9 U3.2@4791.15,3970.9 ; U3.2@4790.17,3971.89 U3.2@4791.15,3970.9 ; U3.2@4795.09,3966.96 U3.2@4791.15,3970.9 ; U3.2@4795.09,3970.9 U3.2@4791.15,3970.9
  Bottom Layer w8: v1(4465.97,4196.67) v1(4690.12,4196.67)
  Bottom Layer w10: v1(4690.12,4196.67) TP35.1@4690.12,4246.5
NetTP59_1: TP59.1 U4.2 U10.11 | length 1254.8
  Top Layer w6: v1(4251.4,4204.55) 4254.56,4204.55 4255.09,4205.07 4255.09,4203.1 4257.53,4205.54 4268.14,4205.54 4279.48,4216.88 U10.11@4304.56,4216.88 ; v1(5167.04,4007.26) 5180.82,3993.48 5180.82,3984.95 5203.14,3962.63 5203.14,3911.57 5198.64,3907.06 5198.64,3859.18 5206.68,3851.13 5225.39,3851.13 U4.2@5226.37,3850.15
  Bottom Layer w8: v1(4251.4,4204.55) 4297.51,4204.55 4336.33,4165.72 4818.89,4165.72 4977.35,4007.26 TP59.1@5125.7,4007.26 v1(5167.04,4007.26)
NetTP63_1: TP63.1 U5.2 U10.6 | length 1553.2
  Top Layer w6: v1(5625.7,3884.23) 5625.7,3866.37 5642.57,3849.5 U5.2@5666.72,3849.5
  Top Layer w8: U10.6@4432.51,4256.25 4441.93,4256.25 4445.59,4259.91 4445.59,4268.53 4447.98,4270.93 v1(4447.98,4276.34)
  Bottom Layer w8: v1(4447.98,4276.34) 4461.71,4276.34 4485.94,4300.57 4782.05,4300.57 5035.98,4046.63 TP63.1@5625.7,4046.63 v1(5625.7,3884.23)
NetTP65_1: TP65.1 U7.2 U10.8 | length 2259.6
  Top Layer w6: U7.2@6149.12,4546.97 v1@6174.41,4546.97
  Top Layer w8: v1(4322.55,4324.19) 4339.01,4307.74 U10.8@4339.01,4280.86
  Bottom Layer w8: v1(4322.55,4324.19) 4343.22,4303.52 4390.47,4303.52 4432.22,4345.27 4772.35,4345.27 5032.12,4085.5 5718.01,4085.5 TP65.1@6138.48,4505.97 6140.62,4505.97 v1(6181.95,4547.3)
NetU8_5: U8.5
NetU13A_6: U13A.6
NetU13A_7: U13A.7
NetU13A_13: U13A.13
NetU13B_6: U13B.6
NetU13B_7: U13B.7
NetU13B_13: U13B.13
NetU13C_6: U13C.6
NetU13C_7: U13C.7
NetU13C_13: U13C.13
NetU13D_6: U13D.6
NetU13D_7: U13D.7
NetU13D_13: U13D.13
NetU13E_6: U13E.6
NetU13E_7: U13E.7
NetU13E_13: U13E.13
NetU16_11: U16.11
NetU19_6: U19.6 U19.7 | length 55.5
  Top Layer w7.87: U19.7@4776.85,4647.08 4758.95,4647.08 4758.95,4666.76 U19.6@4776.85,4666.76